# Altium PCB acrostar_hv_reva.PcbDoc
Units mil, origin at the board's own origin, x right, y up, seen from the top; angles counter-clockwise.
Board outline 3149.61 x 2007.87 mil, 4 copper layers (Top Layer, Layer 1, Layer 2, Bottom Layer), stack 70.211 mil thick; 81 components, 61 nets, 305 pads, 214 vias.
Unrouted connection lines stored in the file: 1.
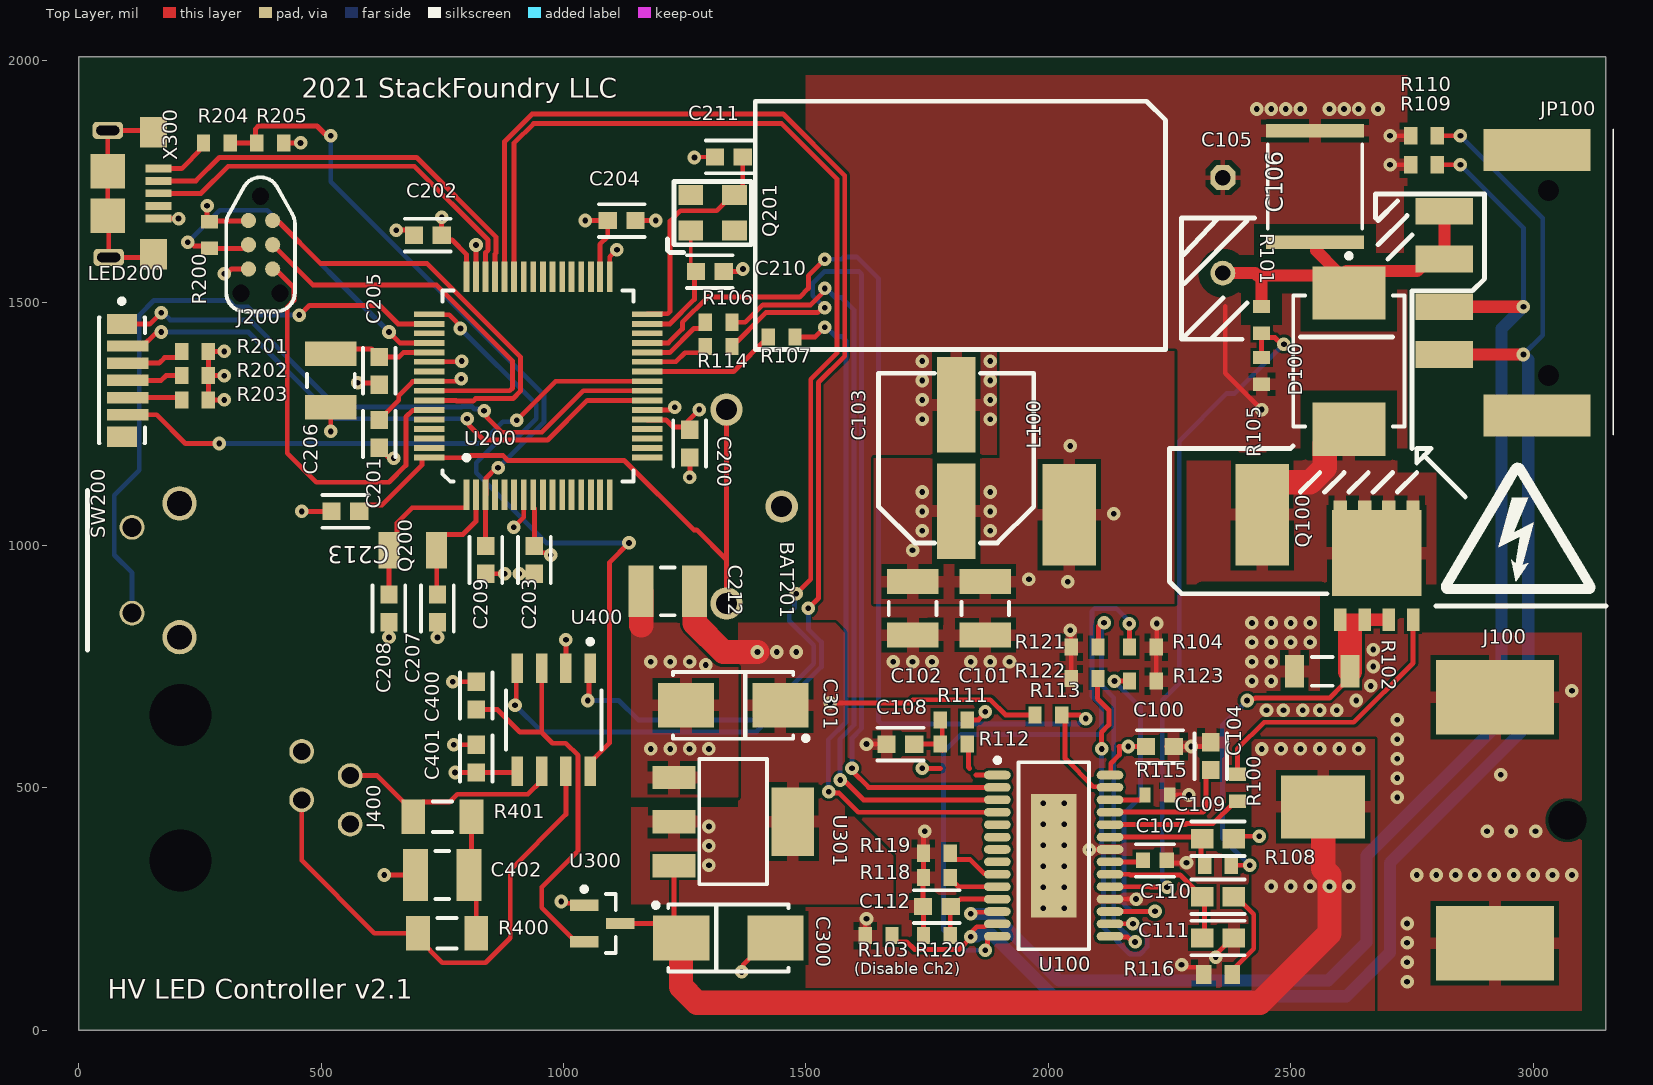
[diagram p0: Top Layer view]
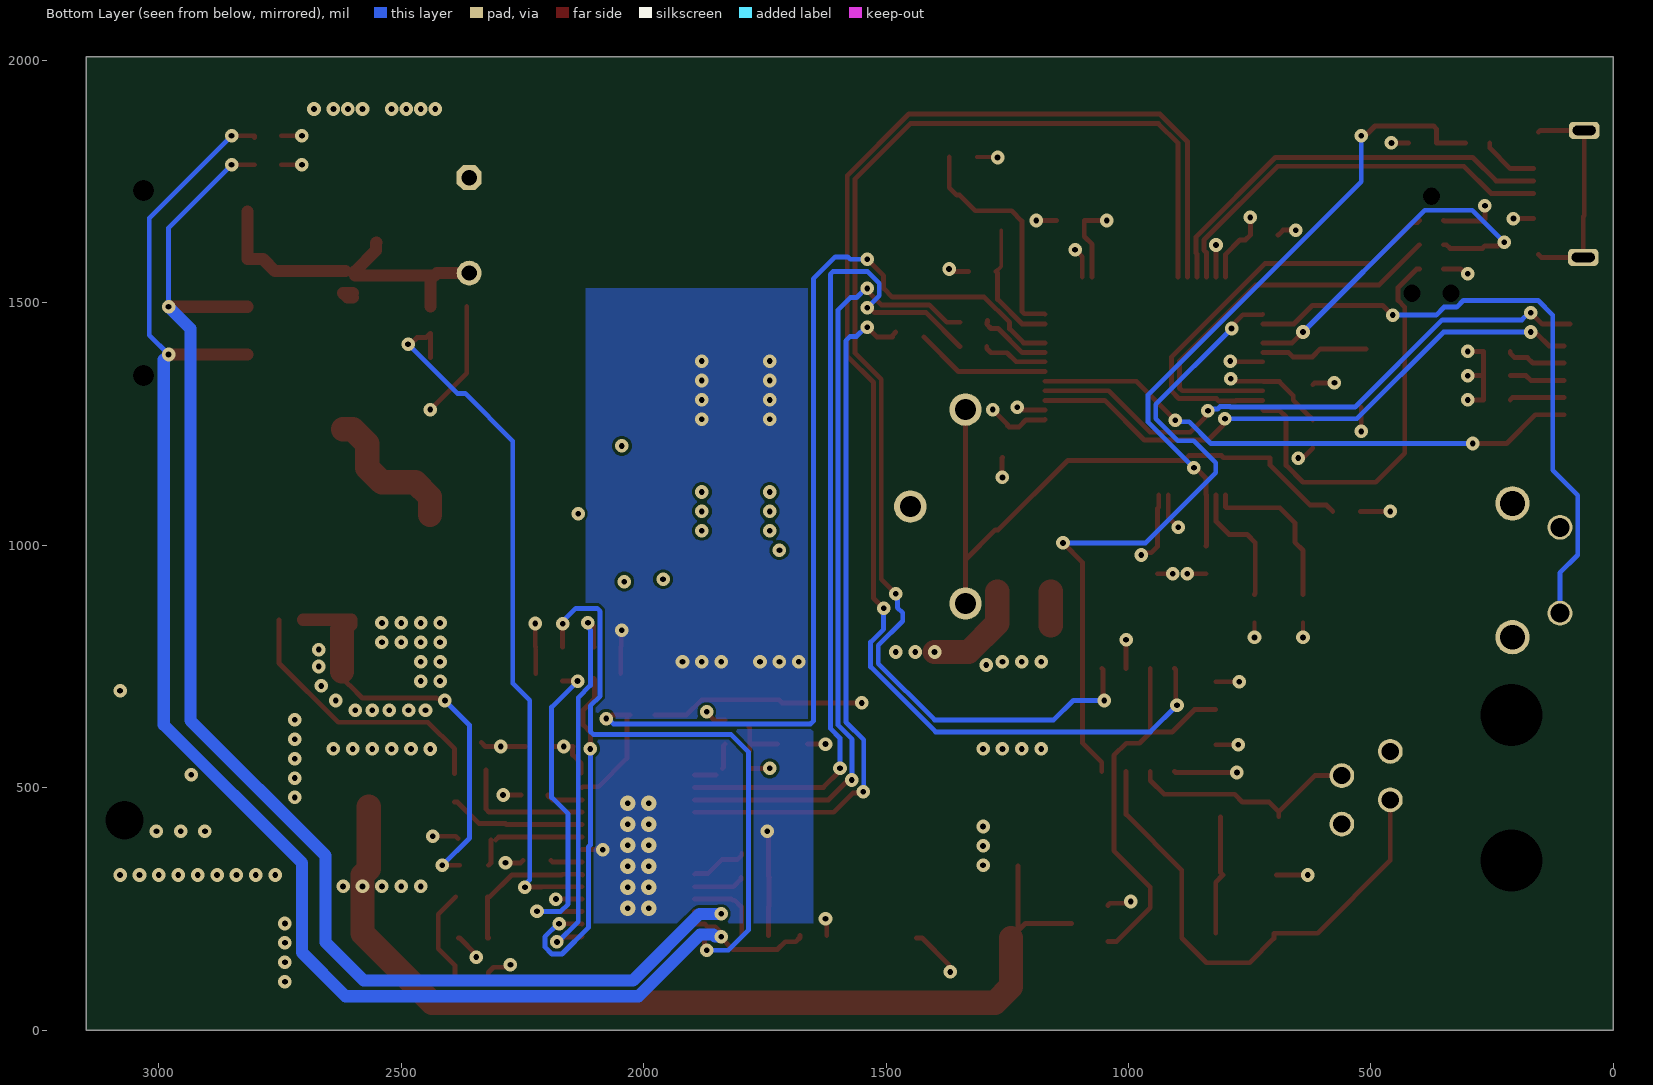
[diagram p1: Bottom Layer view, seen from below]
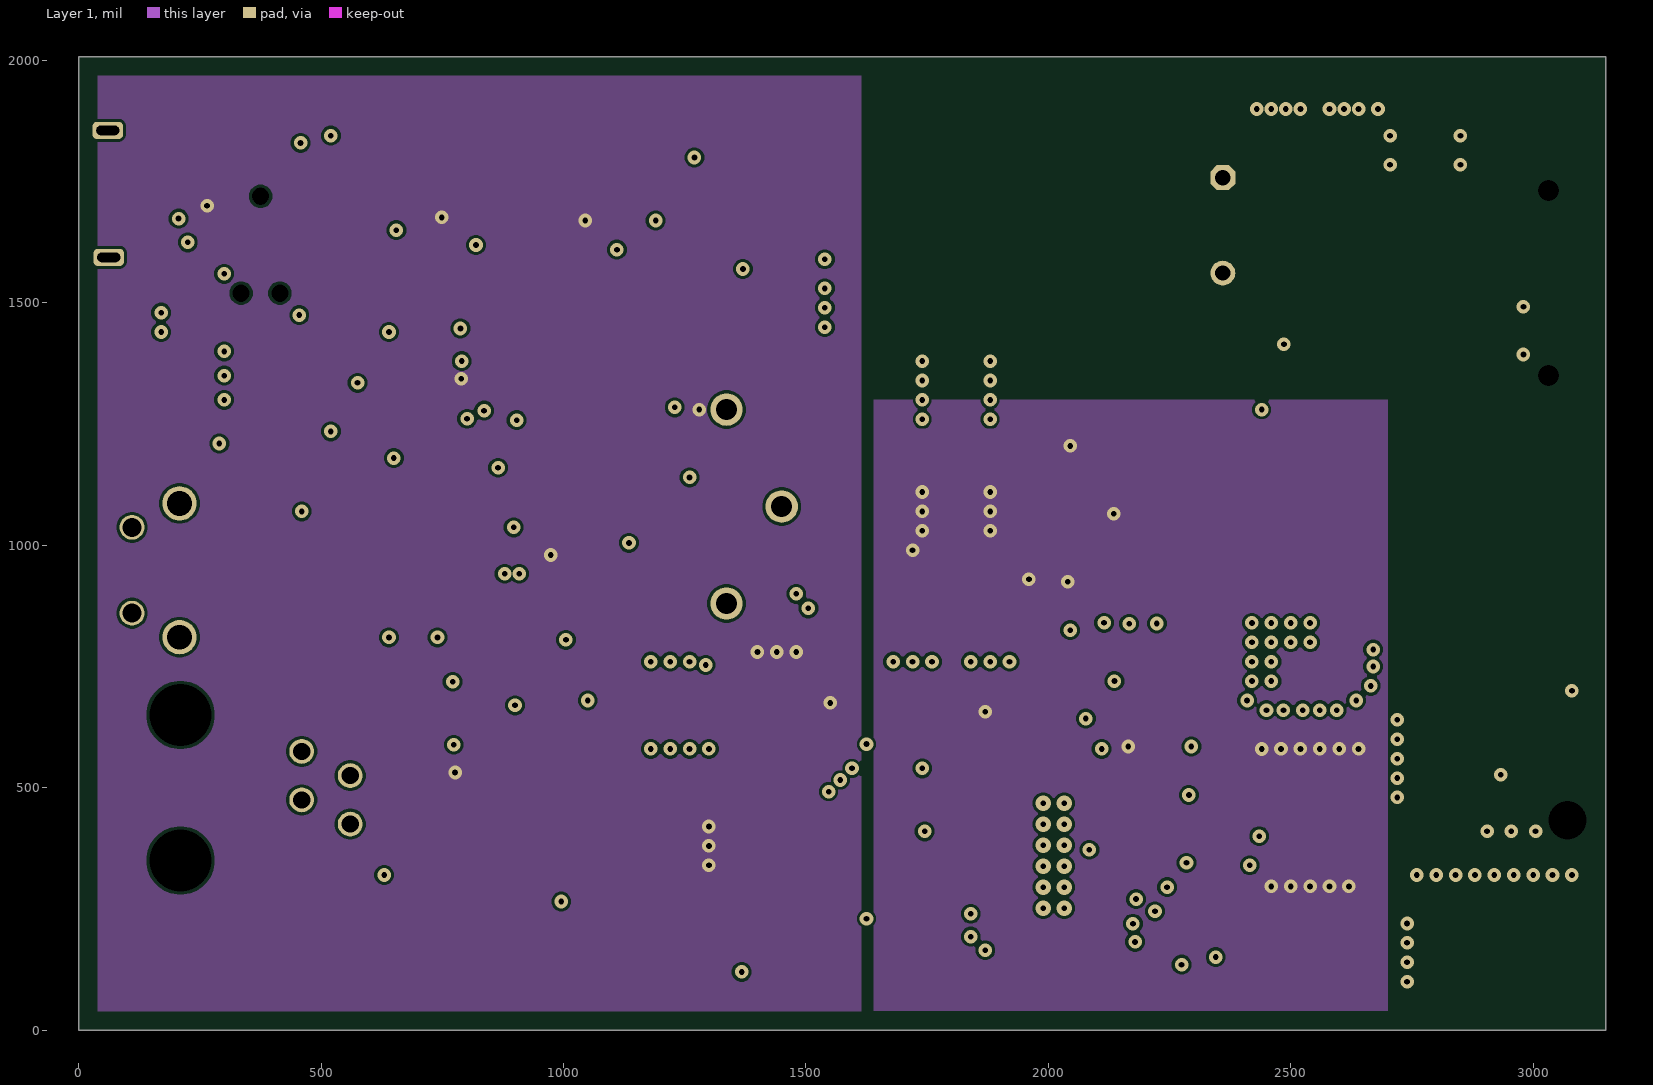
[diagram p2: Layer 1]
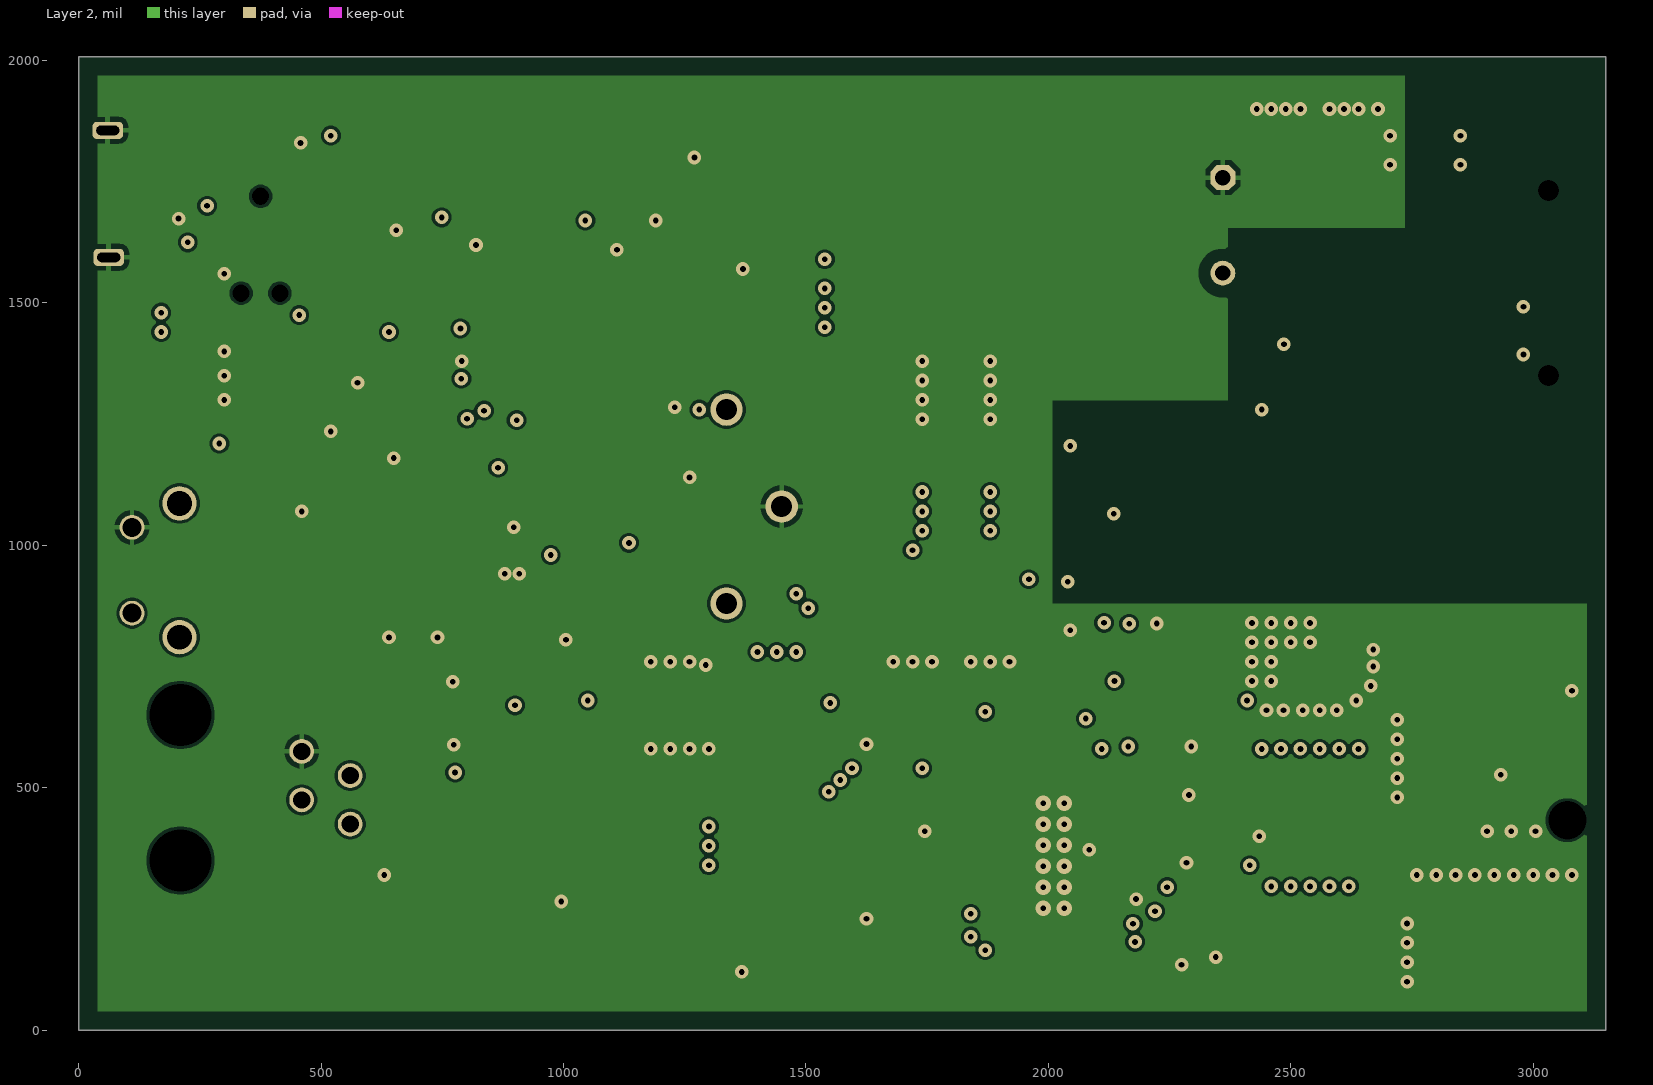
[diagram p3: Layer 2]
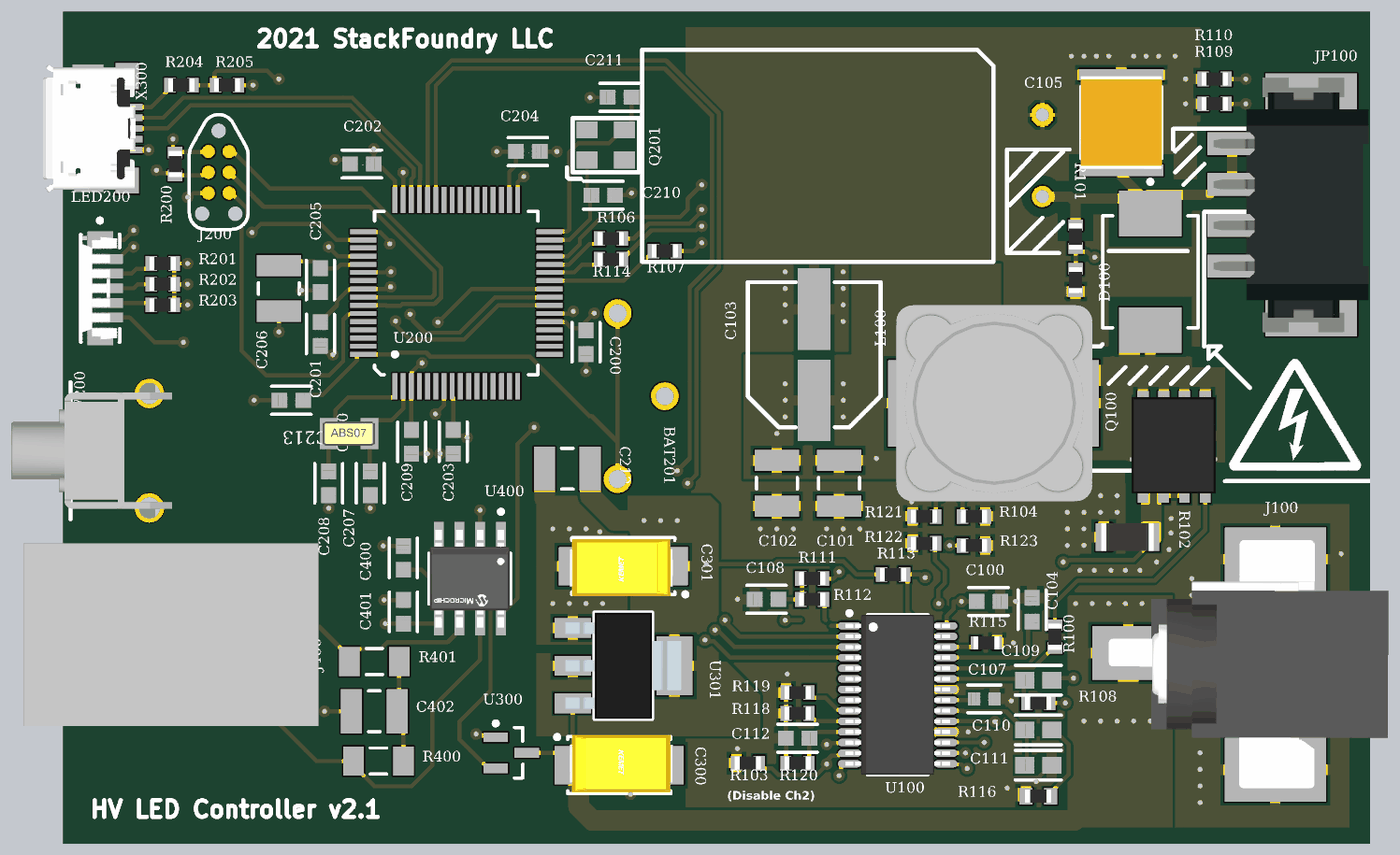
[diagram p4: 3D render of the assembled board from above, using the file's embedded part models]

## Layer stack, top to bottom
Top Solder: solder mask 0.4, Solder Resist, Dk 3.5
Top Layer: signal copper 1.4
Dielectric 2: prepreg 2.8, PP-006, Dk 4.1
Layer 1: signal copper 1.378
Dielectric 1: dielectric 59.0551, FR-4, Dk 4.8
Layer 2: signal copper 1.378
Dielectric 3: prepreg 2.8, PP-006, Dk 4.1
Bottom Layer: signal copper 1.4
Bottom Solder: solder mask 0.4, Solder Resist, Dk 3.5

## Board outline
0,0 3149.61,0 3149.61,2007.87 0,2007.87

## Design rules (kind name [scope] priority, off if disabled: settings)
Clearance Clearance_1 [InNetClass('HV')] p1: gap=25 ignorepadtopadclearanceinfootprint=FALSE
Clearance [All] p2: gap=6 ignorepadtopadclearanceinfootprint=FALSE
Height [All] p1: minheight=0 maxheight=9000 prefheight=2
PolygonConnect PolygonConnect_1 [HasFootprint('TSOP65P640X120_HS-29N')] p1: thpad.connectstyle=Relief thpad.reliefconductorwidth=10 thpad.reliefentries=4 thpad.polygonreliefangle="90 Angle" thpad.airgapwidth=10 smdpad.connectstyle=Direct smdpad.reliefconductorwidth=10 smdpad.reliefentries=4 smdpad.polygonreliefangle="90 Angle" smdpad.airgapwidth=10 via.connectstyle=Direct via.reliefconductorwidth=10 via.reliefentries=4 via.polygonreliefangle="90 Angle" via.airgapwidth=10
PolygonConnect [All] p2: thpad.connectstyle=Relief thpad.reliefconductorwidth=10 thpad.reliefentries=4 thpad.polygonreliefangle="90 Angle" thpad.airgapwidth=10 smdpad.connectstyle=Relief smdpad.reliefconductorwidth=25 smdpad.reliefentries=4 smdpad.polygonreliefangle="90 Angle" smdpad.airgapwidth=10 via.connectstyle=Direct via.reliefconductorwidth=10 via.reliefentries=4 via.polygonreliefangle="90 Angle" via.airgapwidth=10
RoomDefinition U_hv_control [InComponentClass('U_hv_control')] p1: confinementstyle=ConfineIn formatcopy=TRUE lockcomponents=FALSE outline -139.25,760.75 1585.75,760.75 1585.75,1940.75 -139.25,1940.75
RoomDefinition U_hv_can [InComponentClass('U_hv_can')] p2: confinementstyle=ConfineIn formatcopy=TRUE lockcomponents=FALSE outline -109.25,130.75 1105.75,130.75 1105.75,825.75 -109.25,825.75
RoomDefinition hv_top [InComponentClass('hv_top')] p3: confinementstyle=ConfineIn formatcopy=TRUE lockcomponents=FALSE outline -59.25,85.75 1540.75,85.75 1540.75,1900.75 -59.25,1900.75
RoomDefinition U_acrostar_hv_boost [InComponentClass('U_acrostar_hv_boost')] p4: confinementstyle=ConfineIn formatcopy=TRUE lockcomponents=FALSE outline 1255.75,70.75 3205.75,70.75 3205.75,1935.75 1255.75,1935.75
RoutingVias [All] p1: holewidth=11.81 width=28 viastyle="Through Hole" minholewidth=11.81 minwidth=28 maxholewidth=28 maxwidth=50
SolderMaskExpansion [All] p1: expansion=4 istentingtop=FALSE
Width [All] p1: maxlimit=50 minlimit=6 preferedwidth=10
29 further rules are at their usual default settings.

## Classes and differential pairs
net class HV: NetC105_2 NetD100_2
component class U_hv_can: C400 C401 C402 J400 R400 R401 U400
component class hv_top: C300 C301 U300 U301 X300
component class U_hv_control: BAT200 BAT201 C200 C201 C202 C203 C204 C205 C206 C207 C208 C209 C210 C211 C212 C213 J200 LED200 Q200 Q201 R200 R201 R202 R203 R204 R205 SW200 U200
component class U_acrostar_hv_boost: C100 C101 C102 C103 C104 C105 C106 C107 C108 C109 C110 C111 C112 D100 J100 JP3 JP4 JP100 L100 Q100 R100 R101 R102 R103 R104 R105 R106 R107 R108 R109 R110 R111 R112 R113 R114 R115 R116 R118 R119 R120 R121 R122 R123 U100

## Components (designator, comment, footprint, x,y, rotation, side; value= is the part's Value field where it differs from the comment)
BAT201 "BS-1225-PC" BS-1225-PC-Footprint-1 1336.22,1280 r270 top
C100 "2.2uF" FP-CL10-IPC_B 2230,585 r180 top
C101 "4.7uF" CAPC3225X20N 1870,870 r90 top
C102 "4.7uF" CAPC3225X20N 1720,870 r90 top
C103 "CAP 100uF 25V POLY" 25SVF100M-Footprint-1 1810,1180 r270 top
C104 "2.2uF" FP-CL10-IPC_B 2335,565 r270 top
C105 "CAP 47uF 160V Leaded Flat" "CAP 47uF 160V Leaded Flat-Footprint-1" 2360,1660 r90 top
C106 "1uF 250V X7R 2220" CAPC5750X23N 2550,1740 r90 top
C107 "4.7uF" FP-CL10-IPC_C 2220,350 r0 top
C108 "0.1uF" FP-CL10-IPC_B 1695,590 r180 top
C109 "470pF" FP-CL10-IPC_A 2350,395 r0 top
C110 "0.047uF" FP-CL10-IPC_A 2350,275 r0 top
C111 "160pF" FP-CL10-IPC_A 2350,190 r0 top
C112 "0.1uF" FP-CL10-IPC_B 1770,255 r180 top
C200 "CAP 0.1uF 50V X7R 0603" FP-CL10-IPC_B 1260,1210 r270 top
C201 "CAP 0.1uF 50V X7R 0603" FP-CL10-IPC_B 620,1230 r270 top
C202 "CAP 0.1uF 50V X7R 0603" FP-CL10-IPC_B 720,1640 r180 top
C203 "CAP 0.1uF 50V X7R 0603" FP-CL10-IPC_B 940,970 r270 top
C204 "CAP 0.1uF 50V X7R 0603" FP-CL10-IPC_B 1120,1670 r0 top
C205 "CAP 0.1uF 50V X7R 0603" FP-CL10-IPC_B 620,1360 r270 top
C206 "4.7uF" CAPC3225X20N 520,1340 r90 top
C207 "5pF" FP-CL10-IPC_B 740,870 r270 top
C208 "5pF" FP-CL10-IPC_B 640,870 r270 top
C209 "CAP 0.022uF 50V X7R 0603" FP-CL10-IPC_B 840,970 r90 top
C210 "5pF" FP-CL10-IPC_B 1301.73,1564.8 r0 top
C211 "5pF" FP-CL10-IPC_B 1341.1,1801.02 r180 top
C212 "4.7uF" CAPC3225X20N 1215,905 r0 top
C213 "CAP 0.1uF 50V X7R 0603" FP-CL10-IPC_B 550,1070 r180 top
C300 "CAP 4.7uF 25V TANT 2312" CAPMP6032X28M 1340,190 r0 top
C301 "CAP 4.7uF 25V TANT 2312" CAPMP6032X28M 1350,670 r180 top
C400 "CAP 0.1uF 50V X7R 0603" FP-CL10-IPC_B 820,690 r90 top
C401 "CAP 0.1uF 50V X7R 0603" FP-CL10-IPC_B 820,560 r90 top
C402 "CAP 4.7uF 50V X7R 1210" CAPC3225X20N 750,320 r0 top
D100 "MBRS3201T3G" ONSC-SMC-2-403-03_V 2620,1380 r270 top
J100 "PJ-0XX" PJ-036AH 2921.26,433.07 r180 top
J200 "TC2030-SWD-NL" TC2030-MCP-NL 375,1620 r270 top
J400 "RJ10" 0432024101 560,500 r270 top
JP100 "M04_PUSHIN" PHOENIX_PTSM_4_1778780 2816.93,1393.7 r90 top
L100 "MSS1210-473MED" MSS1210-473MED-Footprint-1 2043.31,1062.99 r90 top
LED200 "MSL0104RGBU1" FP-MSL0104-MFG 89.37,1340.31 r90 top
Q100 "CMP-094-0004-1" PG-TDSON-8 2602.36,846.46 r90 top
Q200 "ABS07-32.768KHZ-9-1-T" ABS07-32.768KHZ-9-1-T-Footprint-1 738.43,990 r180 top
Q201 "CX3225GB12000D0HEQCC" CX3225GB12000D0HEQCC-Footprint-1 1262.36,1649.45 r0 top
R100 "2R 0603 1%" RESC1608-IPC-NL 2390,500 r90 top
R101 "1M 0603 1%" RESC1608-IPC-NL 2440,1465 r90 top
R102 "0.1" RESC3016X07N 2565,740 r0 top
R103 "30k" RESC1608-IPC-NL 1650,195 r0 top
R104 "30k" RESC1608-IPC-NL 2195,790 r180 top
R105 "14K 0603 1%" RESC1608-IPC-NL 2440,1360 r90 top
R106 "10k" RESC1608-IPC-NL 1320,1460 r180 top
R107 "10k" RESC1608-IPC-NL 1450,1430 r180 top
R108 "220R 0603 5%" RESC1608-IPC-NL 2350,340 r0 top
R109 "10M 0603" RESC1608-IPC-NL 2775,1785 r0 top
R110 "10M 0603" RESC1608-IPC-NL 2775,1845 r0 top
R111 "200k" RESC1608-IPC-NL 1805,640 r0 top
R112 "200k" RESC1608-IPC-NL 1805,590 r180 top
R113 "10k" RESC1608-IPC-NL 2000,650 r0 top
R114 "10k" RESC1608-IPC-NL 1320,1410 r180 top
R115 "82k 0603" RESC1608-IPC-LL 2225,485 r0 top
R116 "158k" RESC1608-IPC-ML 2350,115 r0 top
R118 "30k" RESC1608-IPC-NL 1770,315 r0 top
R119 "200k" RESC1608-IPC-NL 1770,365 r0 top
R120 "60.4k" RESC1608-IPC-NL 1770,195 r0 top
R121 "30k" RESC1608-IPC-NL 2075,790 r0 top
R122 "30k" RESC1608-IPC-NL 2075,725 r0 top
R123 "30k" RESC1608-IPC-NL 2195,720 r180 top
R200 "30K 1% 0603" RESC1608-IPC-NL 270,1640 r90 top
R201 "220" RESC1608-IPC-NL 240,1400 r180 top
R202 "220R 0603 5%" RESC1608-IPC-NL 240,1350 r180 top
R203 "220R 0603 5%" RESC1608-IPC-NL 240,1300 r180 top
R204 "200k 0603" RESC1608-IPC-NL 285,1830 r180 top
R205 "200k 0603" RESC1608-IPC-NL 395,1830 r180 top
R400 "62R 1206 5%" RESC3116X65X40ML10T20 760,200 r180 top
R401 "62R 1206 5%" RESC3116X65X40ML10T20 750,440 r0 top
SW200 "SPST_NO" TE_1825027-8 208.03,948.58 r270 top
U100 "TPS61196PWPR" TSOP65P640X120_HS-29N 2011.14,359.84 r0 top
U200 "ATSAME51J20A" LQFP64 947.4,1328.58 r0 top
U300 "MCP1700-3.3" SOT-23-TT3_N 1080,220 r0 top
U301 "ZLDO1117-3.3" SOT223 1350,430 r270 top
U400 "MCP2562FDT-E/SN" FP-C04-057-SN-MFG 980,640 r270 top
X300 "USB-MICROB" FCI-10118193-0001LF 164.33,1726 r270 top

## Footprints (in the part's own frame and the unit in brackets; to place one, negate y for a bottom-side part, rotate by r counter-clockwise, add the part's x,y. Pads: shape width x height; smd on the part's side, far side on the other; paste and mask are expansions set on the pad)
25SVF100M-Footprint-1 [mm]
  rect 5x2 smd mask+0: 1(-2.794,0) 2(2.794,0)
  silkscreen extent -4.45,-4.06 4.45,4.06, body extent -4.5,-4.15 4.5,4.15, height 6.96
0432024101 [mm] "RJ10 4P4C Down Tab PTH"
  round 1.3 hole 0.9: 1(-1.905,-2.54) 2(-0.635,0) 3(0.635,-2.54) 4(1.905,0)
  round 0 hole 3.25 unplated: ""(-3.81,-8.89) ""(3.81,-8.89)
  body extent -5.72,-16.64 5.46,1.4, height 11.6
ABS07-32.768KHZ-9-1-T-Footprint-1 [mm]
  rect 1.1x1.9 smd mask+0: 1(0,0) 2(2.5,0)
  body extent -0.33,-0.75 2.87,0.75, height 0.9
BS-1225-PC-Footprint-1 [mm]
  round 1.7 hole 1.1: 1(0,0) 2(5.08,2.89) 3(10.16,0)
  body extent -2.64,-0.82 12.64,3.82, height 14.28
"CAP 47uF 160V Leaded Flat-Footprint-1" [mm]
  oct 1.3x1.3 hole 0.8: 1(2.5,0)
  round 1.3 hole 0.8: 2(-2.5,0)
  silkscreen extent -6.5,3 6.5,24.5, body extent -6.25,0.5 6.26,23.52, height 12.47
CAPC3225X20N [mm] "Chip Capacitor, 2-Leads, Body 3.20x2.50mm, IPC Medium Density"
  rect 1.3x2.7 smd: 1(-1.4,0) 2(1.4,0)
  silkscreen extent -0.35,-1.25 0.35,1.25, body extent -1.7,-1.35 1.7,1.35, height 2
CAPC5750X23N [mm] "Chip Capacitor, 2-Leads, Body 5.70x5.00mm, IPC Medium Density"
  rect 0.7x5.15 smd: 1(-2.925,0) 2(2.925,0)
  silkscreen extent -2.2,-2.47 2.2,2.48, body extent -2.85,-2.5 2.85,2.5, height 2.3
CAPMP6032X28M [mm] "Molded Capacitor, 2-Leads, Body 6.00x3.20mm, IPC Low Density"
  rect 2.95x2.35 smd: 1(-2.475,0) 2(2.475,0)
  silkscreen extent -3.92,-1.75 3.15,1.85, body extent -3.02,-1.65 3.28,1.85, height 2.82
CX3225GB12000D0HEQCC-Footprint-1 [mm]
  rect 1.3x1.05 smd mask+0: 1(0,0) 2(2.3,0) 3(2.3,1.85) 4(0,1.85)
  silkscreen extent -1.22,-1.15 3.17,2.58, body extent -0.5,-0.35 2.7,2.15, height 0.93
FCI-10118193-0001LF [mil]
  rect 16x54 smd: 1(-51.18,0) 2(-25.59,0) 3(0,0) 4(26,0) 5(52,0)
  rect 63x56 smd: G1(126,-9.84) G2(-125.98,-9.84)
  rect 71x71 smd: G3(-45.28,-104.33) G4(46,-104.33)
  rrect50% 35.43x62.99 hole 19.68 slot 47.24 at 90 deg: T1(-129.92,-104.33) T2(132,-102.36)
  body extent -155,-213 155,10, height 113
FP-C04-057-SN-MFG [mm]
  rect 1.55x0.6 smd paste+0 mask+0: 1(-2.7,1.905) 2(-2.7,0.635) 3(-2.7,-0.635) 4(-2.7,-1.905) 5(2.7,-1.905) 6(2.7,-0.635) 7(2.7,0.635) 8(2.7,1.905)
  silkscreen extent -4.22,-2.5 1.55,2.5, body extent -3.57,-2.75 3.57,2.75, height 0.25
FP-CL10-IPC_A [mil]
  rect 45.6x39.85 smd paste+0 mask+0: 1(-32.56,0) 2(32.56,0)
  silkscreen extent -55,-36 55,36, body extent -75,-40 75,40, height 10
FP-CL10-IPC_B [mil]
  rect 37.72x35.91 smd paste+0 mask+0: 1(-28.62,0) 2(28.62,0)
  silkscreen extent -47,-34 47,34, body extent -57,-28 57,28, height 10
FP-CL10-IPC_C [mil]
  rect 29.85x31.97 smd paste+0 mask+0: 1(-24.68,0) 2(24.68,0)
  silkscreen extent -40,-33 40,33, body extent -44,-22 44,22, height 10
FP-MSL0104-MFG [mm]
  rect 1.06x1.58 smd paste+0 mask+0: 1(2.95,0) 7(-2.95,0)
  rect 0.6x2.18 smd paste+0 mask+0: 2(1.8,-0.3) 3(0.9,-0.3) 4(0,-0.3) 5(-0.9,-0.3) 6(-1.8,-0.3)
  silkscreen extent -3.3,-1.2 4.27,1.2, body extent -3.58,-1.49 3.58,1.3, height 0.25
LQFP64 [mil]
  rect 12x63 smd: 1(-147.64,-224.41) 2(-127.95,-224.41) 3(-108.27,-224.41) 4(-88.58,-224.41) 5(-68.9,-224.41) 6(-49.21,-224.41) 7(-29.53,-224.41) 8(-9.84,-224.41) 9(10,-224.41) 10(30,-224.41) 11(50,-224.41) 12(69,-224.41) 13(89,-224.41) 14(109,-224.41) 15(128,-224.41) 16(148,-224.41) 33(148,225) 34(128,225) 35(109,225) 36(89,225) 37(69,225) 38(50,225) 39(30,225) 40(10,225) 41(-9.84,225) 42(-29.53,225) 43(-49.21,225) 44(-68.9,225) 45(-88.58,225) 46(-108.27,225) 47(-127.95,225) 48(-147.64,225)
  rect 63x12 smd: 17(225,-147.64) 18(225,-127.95) 19(225,-108.27) 20(225,-88.58) 21(225,-68.9) 22(225,-49.21) 23(225,-29.53) 24(225,-9.84) 25(225,10) 26(225,30) 27(225,50) 28(225,69) 29(225,89) 30(225,109) 31(225,128) 32(225,148) 49(-224.41,148) 50(-224.41,128) 51(-224.41,109) 52(-224.41,89) 53(-224.41,69) 54(-224.41,50) 55(-224.41,30) 56(-224.41,10) 57(-224.41,-9.84) 58(-224.41,-29.53) 59(-224.41,-49.21) 60(-224.41,-68.9) 61(-224.41,-88.58) 62(-224.41,-108.27) 63(-224.41,-127.95) 64(-224.41,-147.64)
  silkscreen extent -197,-197 197,197, body extent -237,-236 235,236, height 61
MSS1210-473MED-Footprint-1 [mm]
  rect 5.3x2.8 smd: 1(0,0) 2(0,-10.1)
  body extent -6,-11.1 6,0.9, height 10.01
ONSC-SMC-2-403-03_V [mil] "Molded, 2-Leads, Body 6.86x5.84mm"
  rect 110x150 smd: 1(-140.49,0) 2(140.49,0)
  silkscreen extent -222,-115 135,115, body extent -135,-115 135,115, height 99
PG-TDSON-8 [mm]
  rect 1.2x0.65 smd: 1(0,0) 2(0,-1.27) 3(0,-2.54) 4(0,-3.81)
  rect 1.2x0.7 smd: 5(5.65,-3.81) 6(5.65,-2.54) 7(5.65,-1.27) 8(5.65,0)
  rect 4.5x4.7 smd paste-5: PAD(3.5,-1.9)
  body extent -0.15,-4.55 6,0.8, height 1
PHOENIX_PTSM_4_1778780 [mm]
  rect 1.4x3 smd: 1(0,0) 2(2.5,0) 3(5,0) 4(7.5,0)
  rect 2.2x5.6 smd: PAD(-3.2,-4.85) PAD(10.7,-4.85)
  rect 0x0 hole 1.1 unplated paste-0.3 mask+0: ""(-1.1,-5.45) ""(8.6,-5.45)
  silkscreen extent -4.2,-8.85 11.8,-8.85, body extent -4.05,-8.37 11.55,1.13, height 5
PJ-036AH [mm]
  rect 4.4x3.3 smd: 1(9,-0.7)
  rect 6.2x3.9 smd: 2(0,6.45) 3(0,-6.45)
  round 0 hole 2: TAB(-3.8,0)
  body extent -6.91,-7.63 10.21,7.6, height 11.01
RESC1608-IPC-LL [mm] "Chip Resistor, 2-Leads, Body 1.60x0.80mm, IPC High Density"
  rect 0.6x0.8 smd: 1(-0.65,0) 2(0.65,0)
  body extent -0.8,-0.4 0.8,0.4, height 0.45
RESC1608-IPC-ML [mm] "Chip Resistor, 2-Leads, Body 1.60x0.80mm, IPC Low Density"
  rect 0.8x1 smd: 1(-0.75,0) 2(0.75,0)
  body extent -0.8,-0.4 0.8,0.4, height 0.45